# Altium PCB PowerSystem-V3.0.PcbDoc
Units mil, origin at the board's own origin, x right, y up, seen from the top; angles counter-clockwise.
Board outline 2832.31 x 2834.54 mil, 2 copper layers (Top Layer, Bottom Layer); 45 components, 23 nets, 233 pads, 7 vias.
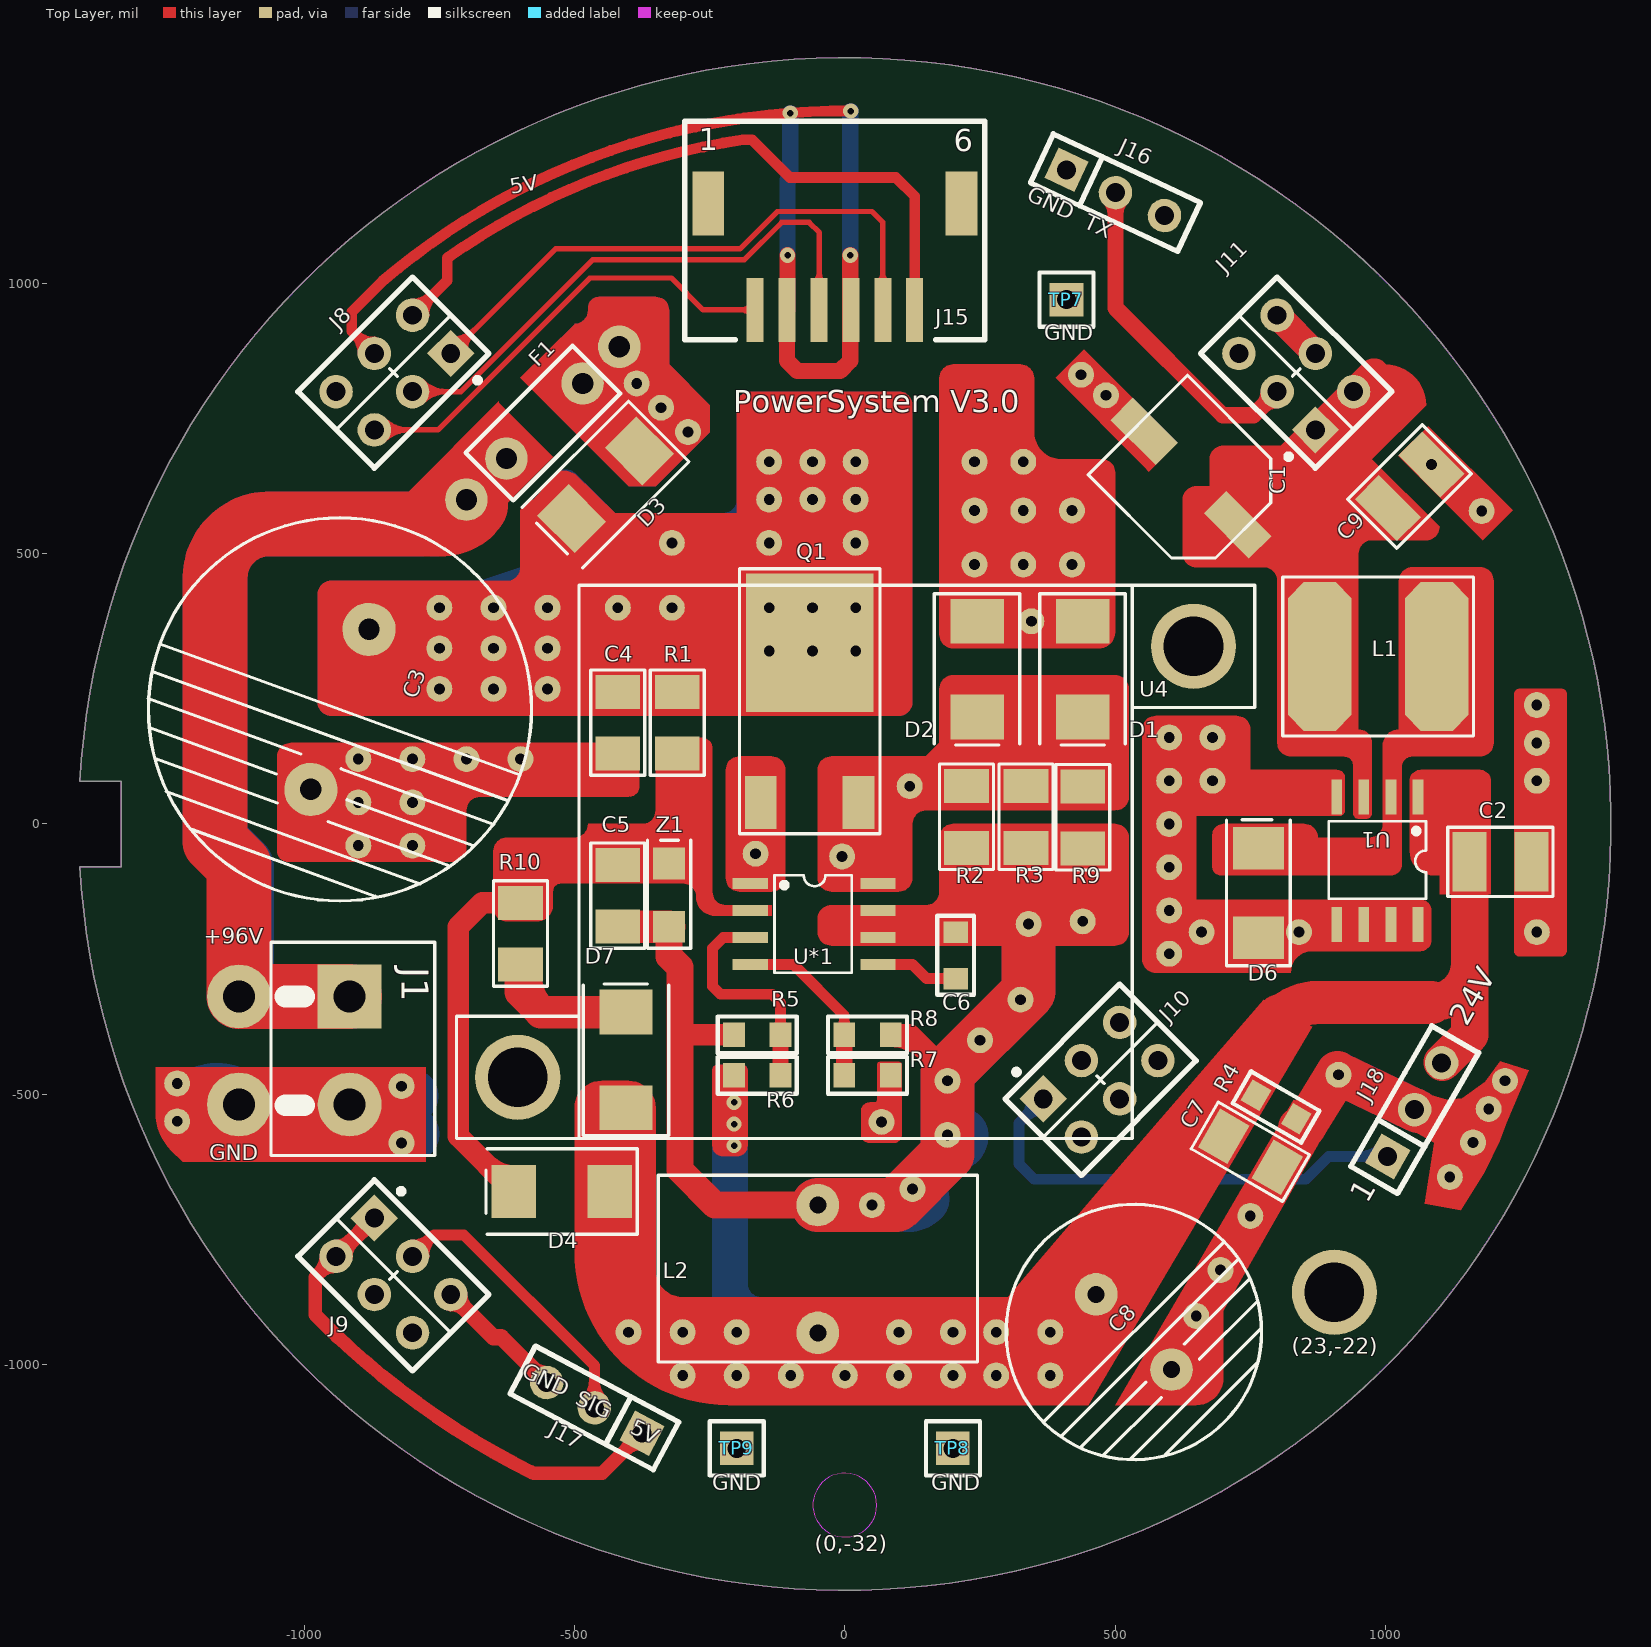
[diagram p0: Top Layer view]
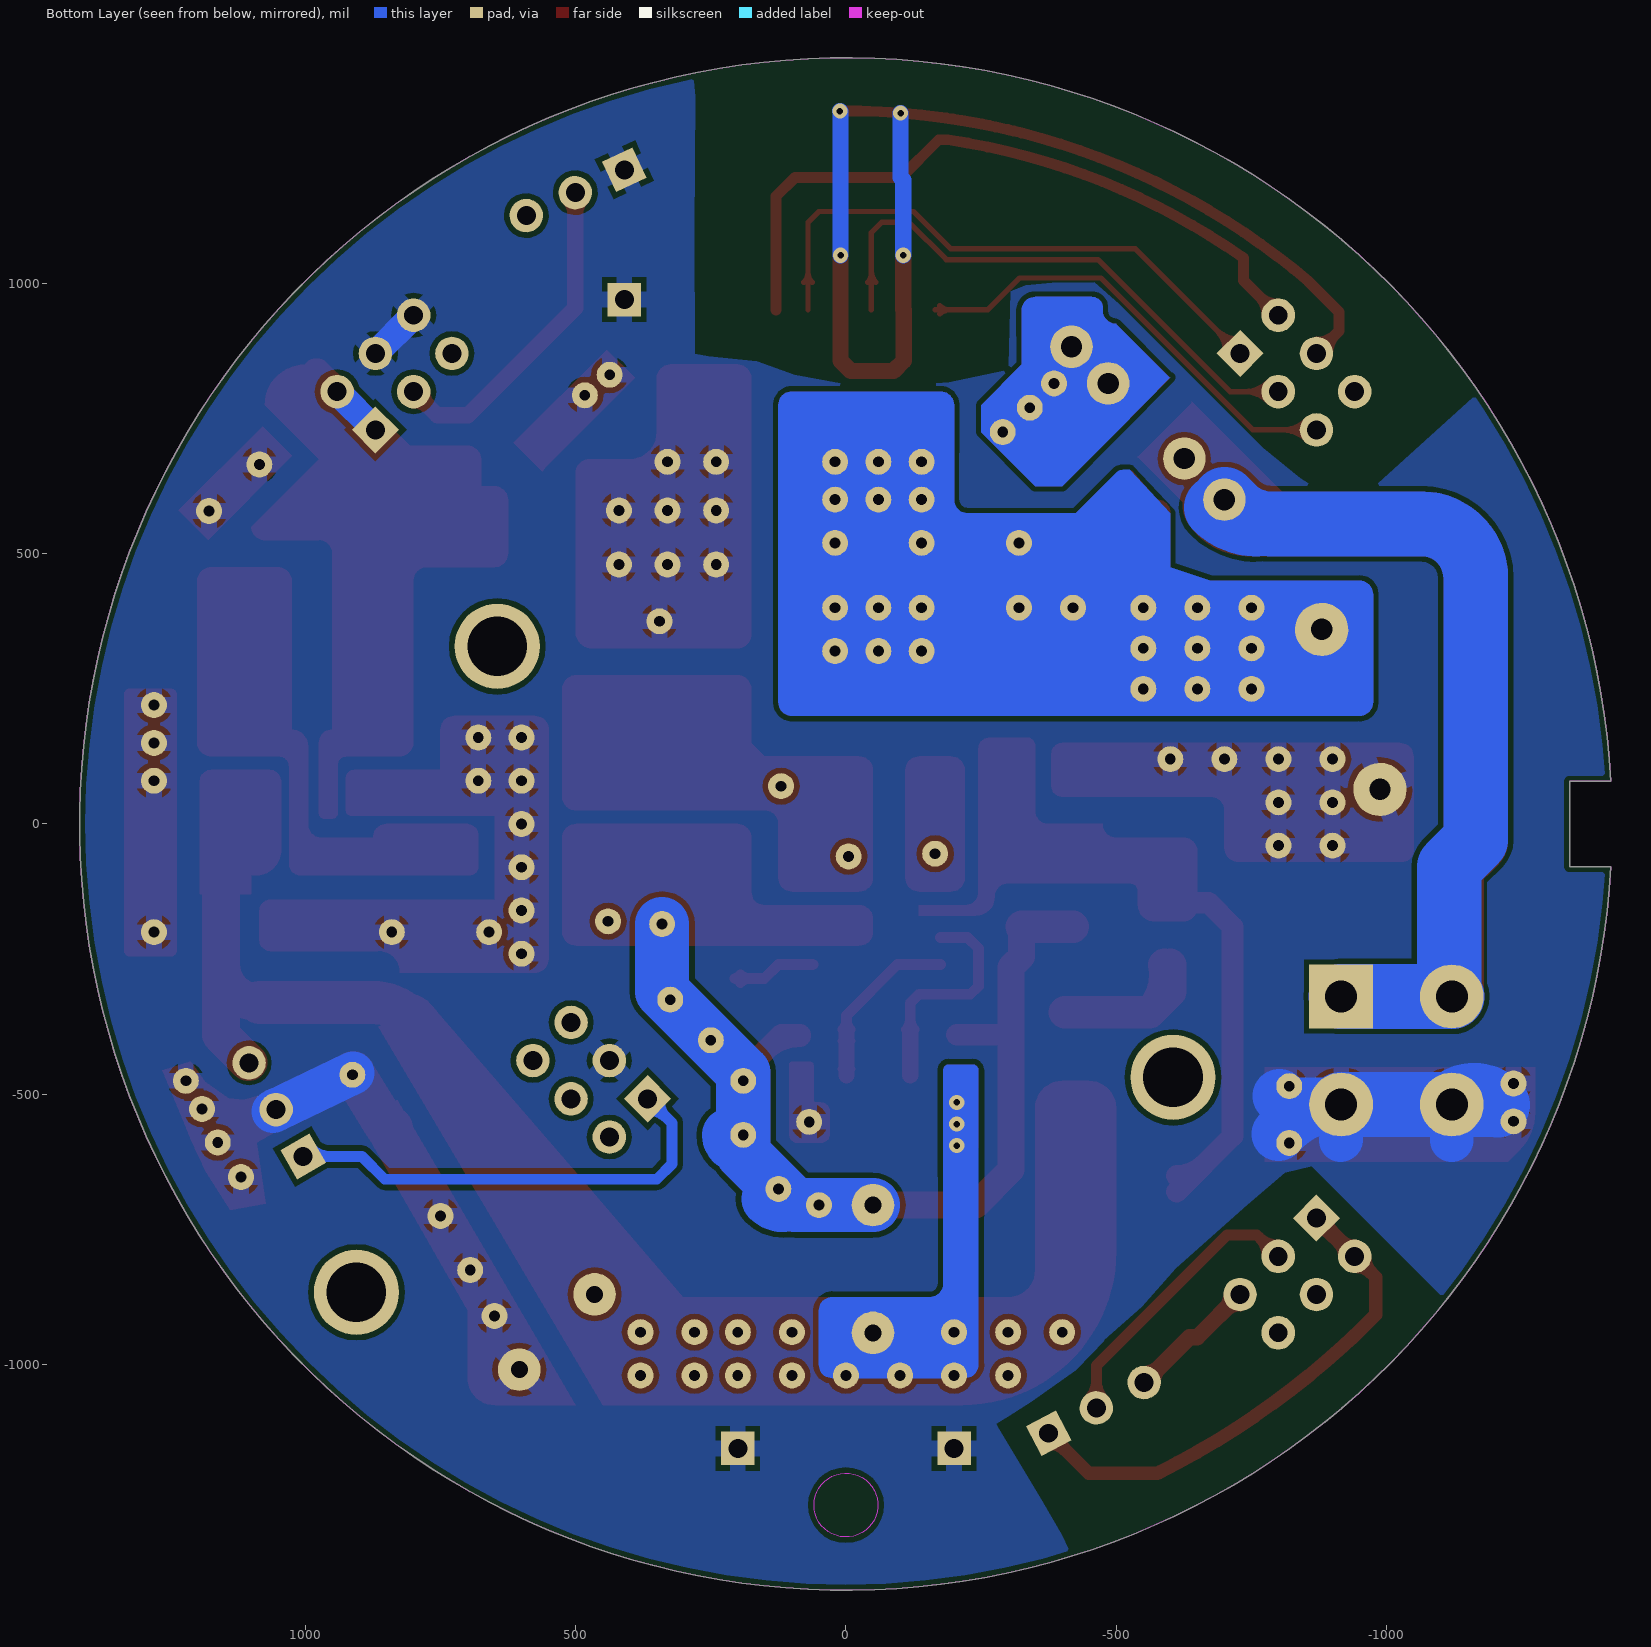
[diagram p1: Bottom Layer view, seen from below]

## Layer stack, top to bottom
Top Layer: signal copper 1.4
Dielectric: dielectric 12.6, FR-4, Dk 4.8
Bottom Layer: signal copper 1.4

## Board outline
-1415.13,-78.74 -1338.58,-78.74 -1338.58,78.74 -1415.13,78.74 cw(c0,0)

## Design rules (kind name [scope] priority, off if disabled: settings)
Clearance [All] p1: gap=10
ComponentClearance [All] p1: gap=-1 collisioncheckmode=3 verticalgap=-1 showdistances=FALSE
HoleSize [All] p1: absolutevalues=TRUE maxlimit=120 minlimit=1 maxpercent=80.000 minpercent=20.000
PlaneConnect [All] p1: planeconnectstyle=Relief reliefexpansion=20 reliefentries=4 reliefconductorwidth=30 reliefairgap=10
PolygonConnect [All] p1: connectstyle=Relief reliefconductorwidth=30 reliefentries=4 polygonreliefangle="90 Angle" airgapwidth=10
RoutingVias [All] p1: holewidth=28 width=50 viastyle="Through Hole" minholewidth=28 minwidth=50 maxholewidth=28 maxwidth=50
SilkToSilkClearance [All] p1: silktosilkclearance=-1
SolderMaskExpansion [All] p1: expansion=4
Width [All] p1: maxlimit=200 minlimit=10 preferedwidth=10 minimp=50.000000 maximp=50.000000 favimp=50.000000
24 further rules are at their usual default settings.

## Components (designator, comment, footprint, x,y, rotation, side; value= is the part's Value field where it differs from the comment)
C1 "100uF/16V" C+_6.3-7 590,690 r225 top
C2 "105/1210" 1210 1270,-70 r180 top
C3 "330uF/250V" C-18-8 -880,360 r250 top locked
C4 "10uF/160V/1206" 1206 -420,130 r90 top
C5 "10uF/50V/1206" 1206 -420,-190 r90 top
C6 "4.7uF/0805" 0805 205,-200 r270 top
C7 "10uF/35V/1206" 1206 800,-635 r150 top
C8 "470uF/63V" C-12-5 465,-870 r315 top
C9 "105/1210" 1210 1085,665 r225 top
D1 "SS520" DO-214AA 440,375 r270 top
D2 "SS520" DO-214AA 245,375 r270 top
D3 "S3M" S3M -380,690 r225 top
D4 "SS3200" S3M -435,-680 r180 top
D6 "SS34" SS34 765,-45 r270 top
D7 "SS110" S3M -405,-525 r90 top
F1 "FUSE" PPTC-10MM -700,600 r45 top
J1 "CON2" CON2-5.08 -916,-319 r270 top
J8 "CON3*2" CON3*2 -835,835 r225 top locked
J9 "CON3*2" CON3*2 -835,-835 r315 top locked
J10 "CON3*2" CON3*2 473,-473 r45 top locked
J11 "CON3*2" CON3*2 835,835 r135 top locked
J15 "CON6" CON6-1.5mm -166,951 r0 top
J16 "CON3" CON3 410,1210 r335 top
J17 "CON3" CON3 -375,-1127 r152 top
J18 "CON3" CON3 1004,-615 r60 top
L1 "68uH/2A" L-CD75 1095,310 r90 top
L2 "100uH/1mm" L-6MM -50,-705 r270 top locked
Q1 "SL18N20" IRFR220N -65,40 r0 top
R1 "51K/1206" 1206 -310,130 r90 top
R2 "0R13/1%/1206" 1206 225,-44.17 r90 top
R3 "0R13/1%/1206" 1206 335,-44.17 r90 top
R4 "12K/0805" 0805 835,-545 r150 top
R5 "3.9K/1%/0805" 0805 -205,-390 r0 top
R6 "240K/1%/0805" 0805 -205,-465 r0 top
R7 "240K/1%/0805" 0805 85,-465 r180 top
R8 "3.9K/1%/0805" 0805 85,-390 r180 top
R9 "0R13/1%/1206" 1206 440,-45 r90 top
R10 "200R/1206" 1206 -600,-260 r90 top
TP7 "TP" CON1 410,970 r0 top
TP8 "TP" CON1 200,-1155 r0 top
TP9 "TP" CON1 -200,-1155 r0 top
U1 "XL1509-5.0E1" XL1509 1060,50 r180 top
U4 "FAN" FAN-26*26MM 20,-70 r180 top locked
U*1 "BZ1303A" BZ1303A -175,-110 r270 top
Z1 "27V/0.5W" SOD123 -325,-190 r90 top

## Footprints (in the part's own frame and the unit in brackets; to place one, negate y for a bottom-side part, rotate by r counter-clockwise, add the part's x,y. Pads: shape width x height; smd on the part's side, far side on the other; paste and mask are expansions set on the pad)
0805 [mil]
  rect 40x45 smd: 1(0,0) 2(86,0)
  silkscreen extent -30,-34 116,34
1206 [mm]
  rect 1.6x2.1 smd: 1(0,0) 2(2.9,0)
  silkscreen extent -1.02,-1.27 3.94,1.27
1210 [mm]
  rect 1.6x2.8 smd: 1(0,0) 2(2.9,0)
  silkscreen extent -1.02,-1.63 3.94,1.63
BZ1303A [mil]
  rect 20x65 smd: 1(0,0) 2(50,0) 3(100,0) 4(150,0) 5(150,236.22) 6(100,236.22) 7(50,236.22) 8(0,236.22)
  silkscreen extent -15,45 165,188
C+_6.3-7 [mm]
  rect 1.5x3 smd: A(0,4.9) K(0,-1.3)
  silkscreen extent -3.3,-1.73 3.3,5.27
C-12-5 [mm]
  round 2 hole 0.8: A(0,0) K(5,0)
  silkscreen extent -3.5,-6 8.5,6
C-18-8 [mm]
  round 2.5 hole 1: A(0,0) K(8,0)
  silkscreen extent -5,-9 13,9
CON1 [mil]
  rect 62x62 hole 35: 1(0,0)
  silkscreen extent -50,-50 50,50
CON2-5.08 [mm]
  rect 3x3 hole 1.5: 1(0,0)
  round 3 hole 1.5: 2(5.08,0)
  silkscreen extent -2.55,-3.7 7.48,4
CON3 [mil]
  rect 62x62 hole 35: 1(0,0)
  round 62 hole 35: 2(100,0) 3(200,0)
  silkscreen extent -50,-50 250,50
CON3*2 [mil]
  rect 62x62 hole 35: 1(-100,50)
  round 62 hole 35: 2(-100,-50) 3(0,50) 4(0,-50) 5(100,50) 6(100,-50)
  silkscreen extent -150,-100 150,125
CON6-1.5mm [mm]
  rect 0.8x3 smd: 1(0,0) 2(1.5,0) 3(3,0) 4(4.5,0) 5(6,0) 6(7.5,0)
  rect 1.5x3 smd: ""(-2.2,5) ""(9.7,5)
  silkscreen extent -3.3,-1.4 10.79,8.86
DO-214AA [mm]
  rect 2.1x2.5 smd: A(0,0) K(4.5,0)
  silkscreen extent -1.3,-2.02 5.82,2
FAN-26*26MM [mm]
  round 4 hole 2.8: 1(-15.875,-10.125) 2(15.875,10.125)
  silkscreen extent -18.75,-13 18.75,13
IRFR220N [mm]
  rect 6x6.5 smd: D(0,7.5)
  rect 1.5x2.5 smd: G(-2.3,0) S(2.3,0)
  silkscreen extent -3.3,-1.47 3.3,10.97
L-6MM [mm]
  round 2 hole 0.8: 1(0,0) 2(6,0)
  silkscreen extent -1.4,-7.5 7.37,7.5
L-CD75 [mm]
  oct 7x3 smd: 1(0,0) 2(0,5.5)
  silkscreen extent -3.73,-1.73 3.73,7.24
PPTC-10MM [mm]
  round 2 hole 1: 1(0,0) 2(10.16,0)
  silkscreen extent 1.52,-1.59 8.64,1.59
S3M [mm]
  rect 2.1x2.5 smd: A(0,0) K(4.5,0)
  silkscreen extent -1.3,-2.02 5.82,2
SOD123 [mm]
  rect 1.5x1.5 smd: A(0,0) K(2.972,0)
  silkscreen extent -1.02,-1.02 4.06,1.02
SS34 [mm]
  rect 2x2.4 smd: A(4.2,0) K(0,0)
  silkscreen extent -1.35,-1.5 5.51,1.5
XL1509 [mil]
  rect 20x65 smd: 1(0,0) 2(50,0) 3(100,0) 4(150,0) 5(150,236.22) 6(100,236.22) 7(50,236.22) 8(0,236.22)
  silkscreen extent -15,45 165,188

## Part data
C1 C3 C8: library part "C +"
C2 C4 C5 C6 C7 C9: library part C, "0603"
D1 D2 D3 D4 D7: library part D
D6 Z1: library part DI
L1 L2: library part L
Q1: library part MOS-N, "MOS-N"
R1 R2 R3 R4 R5 R6 R7 R8 R9 R10: library part R, "0603"

## Free pads (board coordinates)
  round 48 hole 20: 1(-1235,-550) 1(-1235,-480) 1(-900,-40) 1(-900,40) 1(-900,120) 1(-820,-590) 1(-820,-485) 1(-800,-40) 1(-800,40) 1(-800,120) 1(-750,250) 1(-750,325) 1(-750,400) 1(-700,120) 1(-650,250) 1(-650,325) 1(-650,400) 1(-600,120) 1(-550,250) 1(-550,325) 1(-550,400) 1(-420,400) 1(-400,-940) 1(-385,815) 1(-340,770) 1(-320,400) 1(-320,520) 1(-300,-1020) 1(-300,-940) 1(-290,725) 1(-200,-1020) 1(-200,-940) 1(-165,-55) 1(-140,320) 1(-140,400) 1(-140,520) 1(-140,600) 1(-140,670) 1(-100,-1020) 1(-60,320) 1(-60,400) 1(-60,600) 1(-60,670) 1(-5,-60) 1(0,-1020) 1(20,320) 1(20,400) 1(20,520) 1(20,600) 1(20,670) 1(50,-705) 1(68,-551) 1(100,-1020) 1(100,-940) 1(120,70) 1(125,-675) 1(190,-575) 1(190,-475) 1(200,-1020) 1(200,-940) 1(240,480) 1(240,580) 1(240,670) 1(250,-400) 1(280,-1020) 1(280,-940) 1(325,-325) 1(330,480) 1(330,580) 1(330,670) 1(340,-185) 1(345,375) 1(380,-1020) 1(380,-940) 1(420,480) 1(420,580) 1(437,831) 1(440,-180) 1(483,793) 1(600,-240) 1(600,-160) 1(600,-80) 1(600,0) 1(600,80) 1(600,160) 1(650,-910) 1(660,-200) 1(680,80) 1(680,160) 1(695,-825) 1(750,-725) 1(840,-200) 1(913,-463.84) 1(1085,665) 1(1119,-653) 1(1162,-589) 1(1178,579) 1(1191,-527) 1(1221,-475) 1(1280,-200) 1(1280,80) 1(1280,150) 1(1280,220)
  round 118.11 hole 59.06: 1(-1120.71,-519.02) 1(-1120.71,-319)
  round 78.74 hole 39.37: 1(-626,676) 1(-485,815)
  round 157.48 hole 110.24: 1(905.51,-866.14)

## Via types
v1: diameter 28, hole 12, Top Layer to Bottom Layer, 7 vias

## Nets (pads, with @x,y where several pads share a name; then routed paths per layer and width w, separated by ;. In a path a pad name is that pad's centre, name@x,y a point inside that pad or via, vN(x,y) a via of type N, cw(c..) or ccw(c..) an arc to the next point about the centre after c; other vN are vias at no path point)
5V: C1.A C9.2 J11.1 J11.2 L1.2 U1.3 | length 438.4
  Top Layer w20: 710.95,670.95 793,670.95
  Top Layer w50: 793,670.95 812.37,670.95 J11.1 J11.2 977.42,836 981,836
  Bottom Layer w50: J11.1 J11.2
24V: C2.2 C7.2 C8.A D4.A D7.A J18.3 L2.2 pad.1@0,-1020 pad.1@100,-940 pad.1@100,-1020 pad.1@200,-940 pad.1@200,-1020 pad.1@280,-940 pad.1@280,-1020 pad.1@380,-940 pad.1@380,-1020 pad.1@-100,-1020 pad.1@-200,-940 pad.1@-200,-1020 pad.1@-300,-940 pad.1@-300,-1020 pad.1@-400,-940 R4.2 R6.1 U1.1 | length 2084.3
  Top Layer w70: C8.A 610,-725 610,-618.4 ; 1085,-330 ccw(c1085,-259.17) 1155.83,-259.17 ; J18.3@1104.98,-440.82 1155.83,-389.97 1155.83,-259.17 ; C2.2 1155.83,-259.17
  Top Layer w80: 805.71,-359.29 cw(c876.42,-430) 876.42,-330 1085,-330
  Top Layer w90: 795,-370 805.71,-359.29
  Top Layer w100: -435,-850 -343.78,-941.22 L2.2 393.78,-941.22 C8.A
  other v1: -205,-595 -205,-555 -205,-515
GND: C1.K C2.1 C3.K C4.1 C7.1 C8.K C9.1 D1.A D2.A D6.A J1.2 J8.4 J9.5 J10.3 J11.4 J11.6 J15.2 J15.4 J16.1 J17.3 J18.2 pad.1@68,-551 pad.1@240,480 pad.1@240,580 pad.1@240,670 pad.1@330,480 pad.1@330,580 pad.1@330,670 pad.1@345,375 pad.1@420,480 pad.1@420,580 pad.1@437,831 pad.1@483,793 pad.1@600,0 pad.1@600,80 pad.1@600,160 pad.1@600,-80 pad.1@600,-160 pad.1@600,-240 pad.1@650,-910 pad.1@660,-200 pad.1@680,80 pad.1@680,160 pad.1@695,-825 pad.1@750,-725 pad.1@840,-200 pad.1@913,-463.84 pad.1@1085,665 pad.1@1119,-653 pad.1@1162,-589 pad.1@1178,579 pad.1@1191,-527 pad.1@1221,-475 pad.1@1280,80 pad.1@1280,150 pad.1@1280,220 pad.1@1280,-200 pad.1@-600,120 pad.1@-700,120 pad.1@-800,40 pad.1@-800,120 pad.1@-800,-40 pad.1@-820,-485 pad.1@-820,-590 pad.1@-900,40 pad.1@-900,120 pad.1@-900,-40 pad.1@-1120.71,-519.02 pad.1@-1235,-480 pad.1@-1235,-550 R4.1 R7.1 TP7.1 TP8.1 TP9.1 U1.4 U1.5 U1.6 U1.7 U1.8 | length 4526.2
  Top Layer w20: J8.4@-891.36,870.36 ccw(c-942.05,870.36) -906.2,906.2 ccw(c-870.36,942.05) J8.4@-870.36,891.36 ; J8.4 -912,912 -912,947.32 -855.67,1003.65 cw(c0,0) -287.91,1287.09 ; -310.33,1281.87 cw(c0,0) -287.91,1287.09 ; -265.4,1291.92 ccw(c0,0) -287.91,1287.09 ; -197.43,1304.04 cw(c0,0) -174.64,1307.28 ; v1(11.03,1318.85) ccw(c0,0) -287.91,1287.09
  Top Layer w30: J9.5@-728.93,-886.36 cw(c-728.93,-924.98) -701.62,-897.67 cw(c-674.31,-870.36) J9.5@-712.93,-870.36 ; J9.5 -650,-949.29 -635.41,-949.29 J17.3 ; J17.3@-567.59,-1033.11 ccw(c-606.22,-1033.11) -578.9,-1005.79 ccw(c-551.59,-978.48) J17.3@-551.59,-1017.11 ; v1(-106,1052) -106,951.95 J15.2 -106.95,856.95 -88,838 -9,838 10,857 v1(10,1052)
  Top Layer w50: J11.6 J11.4
  Top Layer w70: D2.A D1.A
  Top Layer w80: R4.1@840.87,-562.29 ccw(c835.69,-540.48) 854.78,-552.24 ; 850,-560 852.57,-555.82 911.42,-460.28 1053.87,-528.66 J18.2@1060,-531.6
  Top Layer w120: pad.1@-1120.71,-519.02 J1.2
  Bottom Layer w30: v1(-106,1052) -106,1191 -101,1196 v1(-101,1315) ; v1(10,1052) 10,1317.82 v1(11.03,1318.85)
  Bottom Layer w50: J11.6 J11.4
  Bottom Layer w80: pad.1@-1120.71,-519.02 -1120.71,-585 -1120,-585 ; J1.2 -916,-584 -915,-585 ; pad.1@911.78,-460.46 1053.87,-528.66 J18.2@1060,-531.6
  Bottom Layer w100: -839.31,-519 ccw(c-839.31,-465.69) -801.62,-503.38 ; -830,-520 -831,-519 J1.2 cw(c-915.99,-669.89) -800.02,-573.37
  Bottom Layer w120: pad.1@-1120.71,-519.02 -1204.02,-519.02 -1205,-520 cw(c-1161.66,-563.34) pad.1@-1120.07,-518.32 ; pad.1@-1120,-519.02 J1.2
GP2Y1014_5V: J8.2 J15.6 | length 1404.7
  Top Layer w20: J8.2 -735.48,1005.23 -735.48,1047.02 ; J8.2@-799.64,962.07 ccw(c-799.64,1012.76) -763.8,976.92 ccw(c-727.95,941.07) J8.2@-778.64,941.07 ; -731.53,1049.79 ccw(c0,0) -735.48,1047.02 ; -210.84,1262.04 cw(c0,0) -188.78,1265.52 ; J15.6 129.28,1161 94.28,1196 -102,1196 -171.52,1265.52 -188.78,1265.52 ; -735.48,1047.02 cw(c0,0) -188.78,1265.52
LED: J8.3 J15.3 | length 1233.3
  Top Layer w10: J8.3 -710.36,799.64 -466,1044 -185.72,1044 -116.72,1113 -66,1113 -47.05,1094.05 J15.3@-47.05,951 ; J8.3@-788.33,788.33 cw(c-761.02,761.02) -761.02,799.64 cw(c-761.02,838.27) J8.3@-788.33,810.96 ; J8.3@-781.26,781.26 cw(c-736.88,736.88) -736.88,799.64 cw(c-736.88,862.41) J8.3@-781.26,818.03 ; J15.3@-55.49,1001.91 ccw(c-75.86,1022.28) -47.05,1022.28 ; -47.05,1018.23 ccw(c-23.97,1018.23) J15.3@-40.29,1001.91
MG812_5V: J9.1 J9.2 J17.1 | length 1248.2
  Top Layer w25: J9.2@-959.57,-799.64 cw(c-1004.23,-799.64) -972.65,-831.23 cw(c-941.07,-862.81) J9.2@-941.07,-818.14 ; -953.83,-933.54 ccw(c0,0) -937.39,-950.04 ; J9.2 -980,-838.58 -980,-907.36 ccw(c88.95,138.85) -575.82,-1201.04 ; -581.15,-1198.38 ccw(c88.95,138.85) -575.82,-1201.04 ; J17.1@-393.5,-1127 cw(c-438.16,-1127) -406.58,-1158.58 cw(c-375,-1190.16) J17.1@-375,-1145.5 ; J17.1 -449.04,-1201.04 -575.82,-1201.04
  Top Layer w30: J9.2 J9.1 ; J9.2@-941.07,-783.64 ccw(c-941.07,-745.02) -913.75,-772.33 ccw(c-886.44,-799.64) J9.2@-925.07,-799.64 ; J9.1@-886.36,-728.93 cw(c-924.98,-728.93) -897.67,-756.25 cw(c-870.36,-783.56) J9.1@-870.36,-744.93
MG812_SIG: J9.3 J17.2 | length 690.5
  Top Layer w20: J9.3 -760,-760 -705,-760 -463.29,-1001.71 J17.2 ; J9.3@-799.64,-778.64 ccw(c-799.64,-727.95) -763.8,-763.8 ccw(c-727.95,-799.64) J9.3@-778.64,-799.64 ; J17.2@-478.14,-1065.2 ccw(c-513.99,-1029.35) -463.29,-1029.35 ccw(c-412.6,-1029.35) J17.2@-448.45,-1065.2
MOTOR_PWM_OUT: J10.1 J18.1 | length 1009.5
  Bottom Layer w20: J10.1@345.93,-508.36 cw(c295.24,-508.36) 331.08,-544.2 cw(c366.93,-580.05) J10.1@366.93,-529.36 ; J10.1 322,-553.29 322,-629 350,-657 853,-657 895,-615 J18.1 ; J18.1@989.15,-629.85 ccw(c953.3,-665.7) 953.3,-615 ccw(c953.3,-564.3) J18.1@989.15,-600.15
NetC3_A: C3.A C4.2 D3.K pad.1@20,320 pad.1@20,400 pad.1@20,520 pad.1@20,600 pad.1@20,670 pad.1@-60,320 pad.1@-60,400 pad.1@-60,600 pad.1@-60,670 pad.1@-140,320 pad.1@-140,400 pad.1@-140,520 pad.1@-140,600 pad.1@-140,670 pad.1@-320,400 pad.1@-320,520 pad.1@-420,400 pad.1@-550,250 pad.1@-550,325 pad.1@-550,400 pad.1@-650,250 pad.1@-650,325 pad.1@-650,400 pad.1@-750,250 pad.1@-750,325 pad.1@-750,400 Q1.D R1.2
NetC5_1: C5.1 C6.1 L2.1 pad.1@50,-705 pad.1@125,-675 pad.1@190,-475 pad.1@190,-575 pad.1@250,-400 pad.1@325,-325 pad.1@340,-185 pad.1@440,-180 R2.1 R3.1 R5.1 R8.1 R9.1 U*1.6 U*1.7 Z1.A | length 2800.7
  Top Layer w40: -300,-390 R5.1 ; R8.1@85,-392.5 cw(c85,-483.03) 149.02,-419.02 ; R8.1 120,-390 pad.1@190,-460 ; 172.56,-442.56 cw(c140.13,-475) pad.1@186,-475
  Top Layer w50: Z1.A -325,-245 -305,-265 -305,-640 -240,-705 L2.1
  Top Layer w60: C5.1 Z1.A
  Top Layer w100: L2.1 95,-705 190,-610 190,-460 340,-310 pad.1@340,-185
  Bottom Layer w100: L2.1 95,-705 190,-610 190,-460 340,-310 pad.1@340,-185 ; 115.34,-705 ccw(c115.34,-665.34) 143.38,-693.38 cw(c115.34,-665.34) 115.34,-705 ; 209.64,-590.36 ccw(c194.27,-575) 216,-575 cw(c194.27,-575) 209.64,-590.36
NetC5_2: C5.2 D4.K R1.1 R10.2 U*1.2 Z1.K | length 721.3
  Top Layer w40: -662.03,-630.13 ccw(c-612.17,-580.26) D4.K@-612.17,-650.79 ; D4.K -715,-577.17 -715,-190 -670.83,-145.83 R10.2
NetC6_2: C6.2 U*1.5 | length 192.5
  Top Layer w20: U*1.5 125,-260 151,-286 C6.2 ; C6.2@195.43,-293.07 ccw(c178.36,-310.14) 178.36,-286 ccw(c178.36,-261.86) C6.2@195.43,-278.93
NetD1_K: D1.K D2.K pad.1@120,70 pad.1@-5,-60 Q1.S R2.2 R3.2 R9.2 U*1.8
NetD3_A: D3.A F1.2 pad.1@-290,725 pad.1@-340,770 pad.1@-385,815 pad.1@-485,815 | length 66.7
  Bottom Layer w80: F1.2 -370,930
NetD6_K: D6.K L1.1 U1.2
NetD7_K: D7.K R10.1 | length 355.9
  Top Layer w60: R10.1 -600,-310 -562.17,-347.83 ; R10.1@-588.69,-260.29 ccw(c-493.61,-279.27) -562.17,-347.83 ; D7.K -562.17,-347.83
NetF1_1: F1.1 J1.1 pad.1@-626,676 pad.1@-1120.71,-319 | length 3400.8
  Top Layer w120: J1.1 -1120.71,-319 -1120.49,-318.78 -1120.49,-77 -1165,-32.49 -1165,455 cw(c-1065,455) -1065,555 -745,555 ; -758.83,555 ccw(c-758.83,658.83) F1.1@-685.41,585.41 ; F1.1 cw(c-745,600) -745,555 ; F1.1@-682.72,588.73 cw(c-745,629.36) -745,555
  Bottom Layer w120: J1.1 -1120.71,-319 -1116,-314.29 -1116,-79 -1165,-30 -1165,455 cw(c-1065,455) -1065,555 -786.42,555 ccw(c-786.42,655) -715.71,584.29 F1.1 ; -758.83,555 ccw(c-758.83,658.83) -685.41,585.41 cw(c-758.83,658.83) -758.83,555
NetQ1_G: pad.1@-165,-55 Q1.G U*1.1
NetR5_2: R5.2 R6.2 U*1.3 | length 459
  Top Layer w20: U*1.3 -225,-210 -245,-230 -245,-300 -230,-315 -135,-315 -119,-331 R5.2 ; R5.2@-126.07,-380.43 ccw(c-143.14,-363.36) -119,-363.36 ccw(c-94.86,-363.36) R5.2@-111.93,-380.43
  Top Layer w30: R6.2 R5.2
NetR7_2: R7.2 R8.2 U*1.4 | length 527.7
  Top Layer w15: R7.2@-9.84,-453.66 ccw(c-21.52,-441.98) -5,-441.98 ; R8.2@-9.84,-401.34 cw(c-21.52,-413.02) -5,-413.02 ; R7.2@-5,-461 R8.2@-5,-390 ; -5,-432.33 cw(c38.83,-432.33) R8.2@7.84,-401.34 ; -5,-422.67 ccw(c38.83,-422.67) R7.2@7.84,-453.66
  Top Layer w20: U*1.4 -95,-260 -1,-354 R8.2 ; R8.2@-8.07,-380.43 ccw(c-25.14,-363.36) -1,-363.36 ccw(c23.14,-363.36) R8.2@6.07,-380.43
  Top Layer w30: R7.2 R8.2
UART_TX: J11.3 J16.2 | length 734
  Top Layer w30: J16.2@489.32,1156.42 cw(c462,1129.11) 500.63,1129.11 cw(c539.26,1129.11) J16.2@511.94,1156.42 ; J16.2 500.63,954.37 699,756 756,756 J11.3 ; J11.3@783.64,799.64 cw(c745.02,799.64) 772.33,772.33 cw(c799.64,745.02) J11.3@799.64,783.64
V-LED: J8.5 J15.1 | length 1046.2
  Top Layer w10: J8.5 -752.78,728.93 -471.72,1010 -321,1010 -262,951 J15.1 J15.1@-165,951 ; J8.5@-859.04,717.62 cw(c-831.73,690.31) -831.73,728.93 cw(c-831.73,767.56) J8.5@-859.04,740.25 ; J8.5@-851.97,710.55 cw(c-807.59,666.16) -807.59,728.93 cw(c-807.59,791.7) J8.5@-851.97,747.32 ; J15.1@-173.6,943.4 ccw(c-191.95,925.05) -191.95,951 ccw(c-191.95,976.95) J15.1@-173.6,958.6
VO: J8.1 J15.5 | length 1278.1
  Top Layer w10: J8.1 -535.29,1064 -194,1064 -125,1133 50,1133 70.22,1112.78 J15.5 ; J8.1@-728.93,886.36 ccw(c-728.93,924.98) -701.62,897.67 ccw(c-674.31,870.36) J8.1@-712.93,870.36 ; J8.1@-728.93,896.36 ccw(c-728.93,959.12) -684.55,914.74 ccw(c-640.16,870.36) J8.1@-702.93,870.36 ; J15.5@62.62,1001.91 ccw(c44.27,1020.26) 70.22,1020.26 ccw(c96.17,1020.26) J15.5@77.82,1001.91
pads on no net: J8.6 J9.4 J9.6 J10.2 J10.4 J10.5 J10.6 J11.5 J15. J16.3 U4.1 U4.2

## Polygon pours and split planes (outlines as drawn)
GND on Bottom Layer "Bottom Layer-No Net" (solid, remove dead copper, pour order 3): -1500,1500 1500,1500 1500,-1500 -1500,-1500 -1500,1500

## Keep-outs
Keep-Out Layer:
  circle w1: c0,-1259.84 r59.06
  lines w1: -1415.13,-78.75 ccw(c0,0) -1415.13,78.74 -1338.58,78.74 -1338.58,-78.74 -1415.13,-78.74

## Other copper
Top Layer:
  region net GND: 1024,681 1180,525 1235,580 1079,736
  region net GND: 1238,99 1308,99 1308,-205 1238,-205
  region net GND: 615,705 442.6,877.4 442,877 390,825 555,660 562,652
  region net GND: 1010,-544 1090,-590 1073,-702 1139,-714 1184,-643 1211,-586 1223.55,-553.75 1264.92,-455.6 1212,-439 1185,-477 1142,-507 1114,-510 1041,-489 1035,-499
  region net NetD3_A: -500,924.51 -600,825 -500,725
  region net NetF1_1: -539,678 -640,779 -640,782 -808,614 -809,614 -729,534 -683,534 -683,535 -539,679
  region net GND: 1238,240 cw(c1248,240) 1248,250 1326,250 cw(c1326,241) 1335,241 1335,-235 cw(c1325,-235) 1325,-245 1248,-245 cw(c1248,-235) 1238,-235
  region net GND: 549.76,57.5 549.76,174.76 cw(c575,174.76) 575,200 725,200 cw(c725,175) 750,175 750,40 cw(c735,40) 735,25 565,25 cw(c565,40) 550,40 550,57.5
  region net GND: 650,-275 575,-275 cw(c575,-250) 550,-250 550,57.5 627.5,57.5 cw(c627.5,35) 650,35
  region net GND: 500,-1075 830,-510 900,-550 700,-900 700,-1025 cw(c650,-1025) 650,-1075
  region net 24V: 775,-325 520,-620 301,-875 -300,-875 cw(c-300,-825) -350,-825 -350,-525 ccw(c-400,-525) -400,-475 -450,-475 ccw(c-450,-525) -500,-525 -500,-791.05 ccw(c-216.05,-791.05) -216.05,-1075 450,-1075 865,-375
  region net 24V: -190,-445 cw(c-190,-455) -180,-455 -180,-595 cw(c-200,-595) -200,-615 -225,-615 cw(c-225,-595) -245,-595 -245,-455 cw(c-235,-455) -235,-445
  region net GND: 1085,-160 ccw(c1065,-160) 1065,-140 620,-140 ccw(c620,-160) 600,-160 600,-250 ccw(c625,-250) 625,-275 825,-275 cw(c865,-275) 865,-235 1065,-235 ccw(c1065,-215) 1085,-215
  region net NetQ1_G: -195,-125 cw(c-195,-100) -220,-100 -220,100 cw(c-195,100) -195,125 -135,125 cw(c-135,100) -110,100 -110,-100 cw(c-135,-100) -135,-125
  region net 24V: 1045,80 cw(c1065,80) 1065,100 1175,100 cw(c1175,80) 1195,80 1195,-130 1100,-130 1100,-95 1090,-95 cw(c1090,-50) 1045,-50
  region net NetD6_K: 700,0 850,0 cw(c850,-25) 875,-25 970,-25 ccw(c970,0) 995,0 995,30 1030,30 1030,-75 cw(c1010,-75) 1010,-95 695,-95 cw(c695,-80) 680,-80 680,-20 cw(c700,-20)
  region net 5V: 950,10 cw(c950,20) 940,20 940,109.51 ccw(c925,109.51) 925,124.51 925,150 cw(c950,150) 950,175 cw(c950,150) 975,150 975,20 cw(c965,20) 965,10
  region net 5V: 1000,850 850,700 700,700 ccw(c700,675) 675,675 675,625 650,625 ccw(c650,600) 625,600 625,500 ccw(c650,500) 650,475 775,475 cw(c775,450) 800,450 800,150 ccw(c825,150) 825,125 925,125 ccw(c925,150) 950,150 950,500 cw(c975,500) 975,525 1075,525 ccw(c1075,550) 1100,550 975,675 1075,775 ccw(c1000,775)
  region net NetD6_K: 1030,20 1030,105 cw(c1050,105) 1050,125 1175,125 ccw(c1175,150) 1200,150 1200,450 ccw(c1175,450) 1175,475 1050,475 ccw(c1050,450) 1025,450 1025,175 ccw(c1025,145) 995,145 995,20 ccw(c1005,20) 1005,10 1020,10 ccw(c1020,20)
  region net NetC3_A: -950,200 100,200 ccw(c100,225) 125,225 125,550 ccw(c100,550) 100,575 -425,575 -500,648 -514,653 -530,653 -575.32,600.32 ccw(c-575.32,575.32) -600.32,575.32 -600,475 cw(c-625,475) -625,450 -950,450 ccw(c-950,425) -975,425 -975,225 ccw(c-950,225)
  region net NetD1_K: 500,25 ccw(c500,50) 525,50 525,250 ccw(c500,250) 500,275 200,275 ccw(c200,250) 175,250 175,150 150,125 -25,125 ccw(c-25,100) -50,100 -50,-100 ccw(c-25,-100) -25,-125 100,-125 ccw(c100,-100) 125,-100 125,0 cw(c150,0) 150,25
  region net NetC5_1: -25,-150 150,-150 ccw(c150,-125) 175,-125 175,-25 cw(c200,-25) 200,0 500,0 cw(c500,-25) 525,-25 525,-200 cw(c500,-200) 500,-225 -25,-225 cw(c-25,-200) -50,-200 -50,-175 cw(c-25,-175)
  region net NetC5_2: -135,-150 -220,-150 cw(c-220,-125) -245,-125 -245,140 ccw(c-265,140) -265,160 -335,160 ccw(c-335,145) -350,145 -350,25 cw(c-375,25) -375,0 -475,0 cw(c-500,0) -500,-25 -625,-25 ccw(c-625,-50) -650,-50 -650,-155 ccw(c-625,-155) -625,-180 -570,-180 ccw(c-570,-150) -540,-150 -540,-125 cw(c-525,-125) -525,-110 -300,-110 cw(c-300,-135) -275,-135 ccw(c-240,-135) -240,-170 -135,-170
  region net GND: 925,25 cw(c915,25) 915,15 575,15 cw(c575,40) 550,40 550,75 cw(c575,75) 575,100 910,100 cw(c910,85) 925,85
  region net GND: -1050,125 cw(c-1025,125) -1025,150 -400,150 cw(c-400,130) -380,130 -380,70 cw(c-400,70) -400,50 -675,50 ccw(c-675,25) -700,25 -700,-45 cw(c-725,-45) -725,-70 -1030,-70 cw(c-1030,-50) -1050,-50
  region net GND: 105,-445 105,-575 cw(c90,-575) 90,-590 75,-590 cw(c75,-575) 60,-575 60,-445 cw(c65,-445) 65,-440 100,-440 cw(c100,-445)
  region net GND: 92.93,-589.71 44.71,-589.71 cw(c44.71,-575) 30,-575 30,-531 cw(c46,-531) 46,-515 54.79,-515 ccw(c54.79,-510) 59.79,-510
  region net NetD3_A: -350,625 -250,725 -250,775 -325,850 -325,950 ccw(c-350,950) -350,975 -455,975 ccw(c-455,955) -475,955 -475,950 cw(c-500,950) -500,925 -500,725 -400,625
  region net NetC3_A: 125,525 125,775 ccw(c100,775) 100,800 -175,800 ccw(c-175,775) -200,775 -200,525
  region net GND: 175,575 175,825 cw(c200,825) 200,850 325,850 cw(c325,825) 350,825 350,725 ccw(c400,725) 400,675 475,675 cw(c475,650) 500,650 500,575
  region net GND: 200,325 cw(c200,350) 175,350 175,625 cw(c200,625) 200,650 475,650 cw(c475,625) 500,625 500,355 cw(c470,355) 470,325
  region net GND: -1275,-450 -775,-450 -775,-625 -1225,-625 -1245.71,-604.29 cw(c-1175,-533.58) -1275,-533.58
Bottom Layer:
  pour cut-out: -862,-633 -812,-645 -742,-704 -610,-822 -547,-893 -477,-955 -480,-954 -427,-1009 -425,-1010 -343,-1069 -299,-1096 -278,-1109 -283,-1119 -363,-1253 -400,-1317 -417,-1352 -436,-1345 -475,-1334 -604,-1280 -699,-1230 -778,-1182 -833,-1143 -903,-1089 -985,-1012 -1049,-948 -1109,-880
  pour cut-out: 281,1098 280,870 255,865 165,856 96,831 9,815 -83,811 -191,817 -301,840 -305,985 -333,997 -382,1001 -459,1002 -505,962 -771,696 -840,640 -930,580 -1169,797 -1088,904 -990,1011 -878,1110 -742,1206 -627,1269 -546,1304 -495,1326 -367,1367 -265,1391 -144,1408 -25,1415 40,1415 127,1410 180,1404 241,1395 282,1386 279,1345
  region net NetD3_A: -500,924.51 -599,825 -600,826 -500,725
  region net 24V: -245,-455 cw(c-235,-455) -235,-445 -190,-445 cw(c-190,-455) -180,-455 -180,-850 ccw(c-155,-850) -155,-875 25,-875 cw(c25,-900) 50,-900 50,-1000 cw(c25,-1000) 25,-1025 -220,-1025 cw(c-220,-1000) -245,-1000
  region net NetD3_A: -350,625 -250,725 -250,775 -325,850 -325,950 ccw(c-350,950) -350,975 -455,975 ccw(c-455,955) -475,955 -475,950 cw(c-500,950) -500,925 -500,725 -400,625
  region net NetC3_A: -975,350 -975,225 ccw(c-950,225) -950,200 100,200 ccw(c100,225) 125,225 125,775 ccw(c100,775) 100,800 -175,800 ccw(c-175,775) -200,775 -200,600 cw(c-225,600) -225,575 -425,575 -500,650 ccw(c-512.07,637.93) -512.07,655 -525,655 -600,575 -600,475
  region net NetC3_A: -975,350 -975,425 cw(c-950,425) -950,450 -675,450

## Silkscreen, mask and mechanical layers (free items; w line width, h text height)
Top Overlay:
  lines w40: -1035,-520 -1000,-520 ; -1035,-319 -1000,-319
  text "1" at -270,1232 h70
  text "6" at 201,1231 h70
  text "5V" at -615,1155 h50 r10
  text "GND" at 330,1145 h50 r335
  text "TX" at 435,1095 h50 r335
  text "GND" at 369,885 h50
  text "PowerSystem V3.0" at -206,748 h70
  text "+96V" at -1186,-232 h50
  text "24V" at 1162,-383 h70 r60
  text "GND" at -1176,-632 h50
  text "1" at 978,-711 h70 r60
  text "(23,-22)" at 827,-990 h50
  text "GND" at -604,-1031 h50 r335
  text "SIG" at -505,-1082 h50 r335
  text "5V" at -403,-1135 h50 r335
  text "GND" at -245,-1243 h50
  text "GND" at 160,-1243 h50
  text "(0,-32)" at -56,-1355 h50
Bottom Solder:
  region: 325,-875 50,-875 50,-1075 325,-1075
  region: -975,350 -975,225 ccw(c-950,225) -950,200 100,200 ccw(c100,225) 125,225 125,775 ccw(c100,775) 100,800 -175,800 ccw(c-175,775) -200,775 -200,600 cw(c-225,600) -225,575 -425,575 -500,650 ccw(c-512.07,637.93) -512.07,655 -525,655 -600,575 -600,475
  region: -975,350 -975,425 cw(c-950,425) -950,450 -675,450
  region: 330,850 cw(c330,830) 350,830 350,725 ccw(c400,725) 400,675 475,675 cw(c475,650) 500,650 500,350 cw(c475,350) 475,325 200,325 cw(c200,350) 175,350 175,825 cw(c200,825) 200,850